# Altium PCB DI544.PcbDoc (part 1 of 7) (continued)
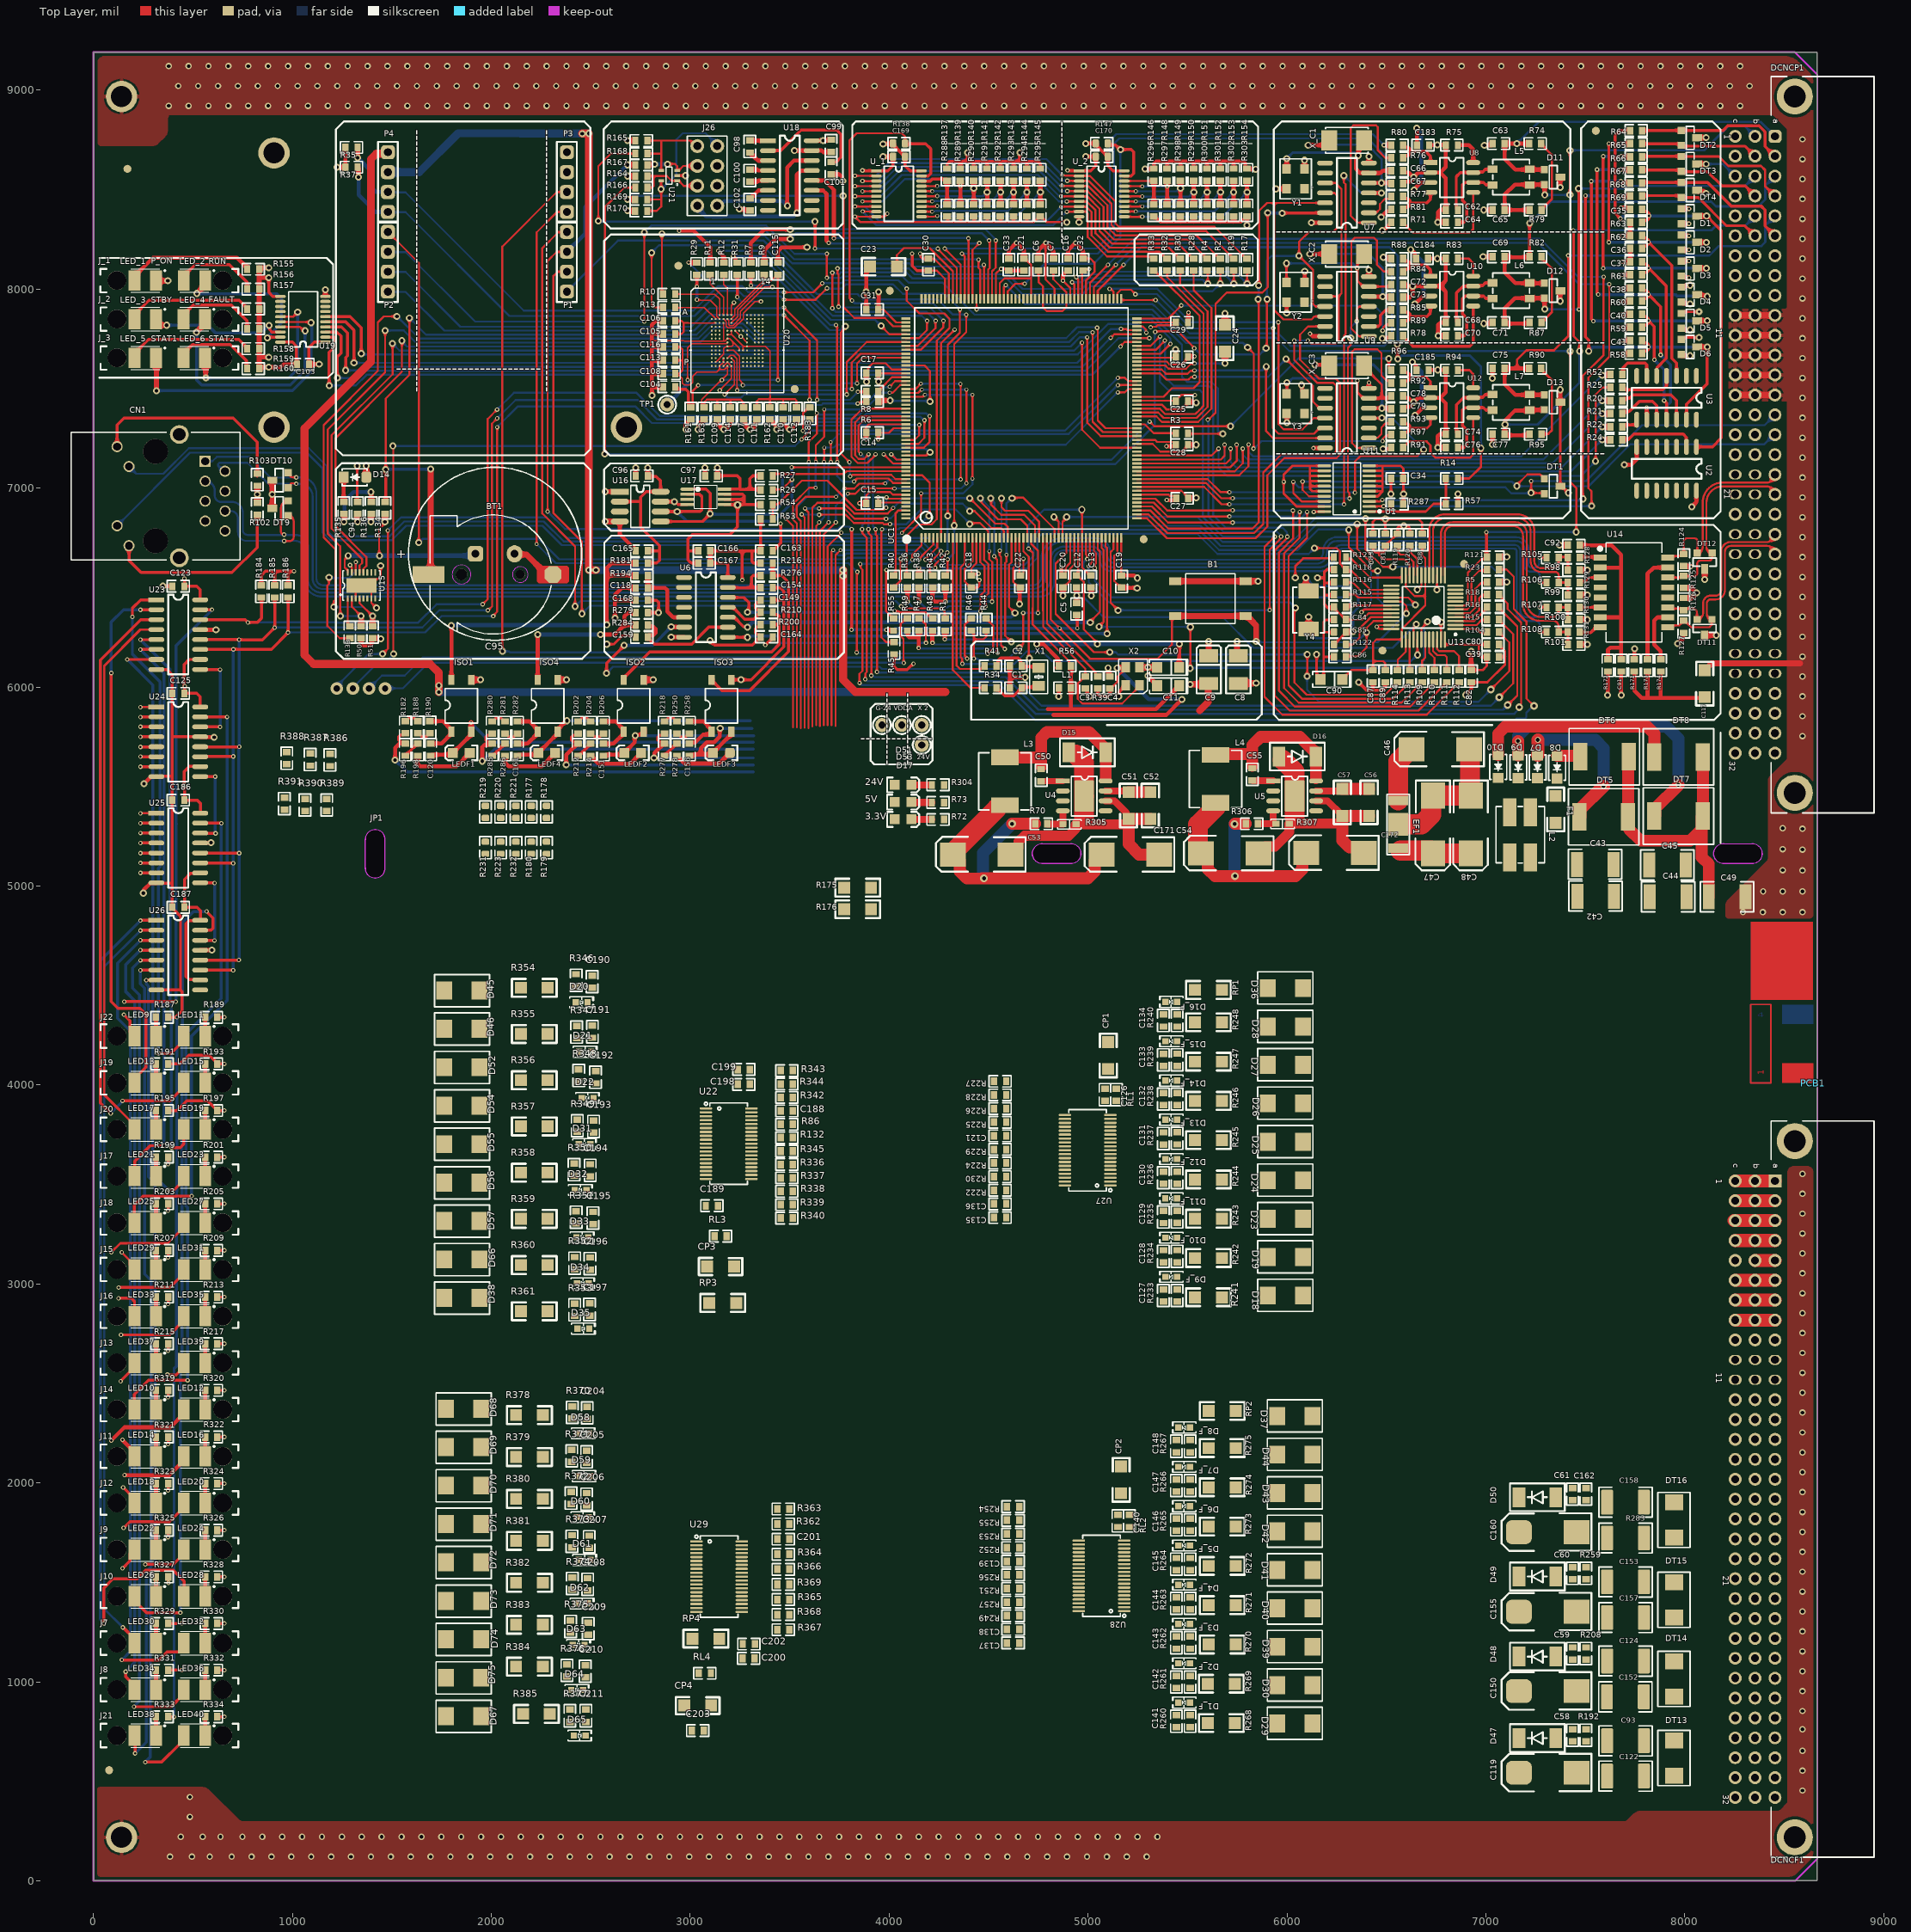
[diagram p0: Top Layer view]
## Components (designator, comment, footprint, x,y, rotation, side; value= is the part's Value field where it differs from the comment) (continued)
C199 "100nF, 50V" "CAP 0603"#1 3269.51,4079.11 r0 top
C200 "1uF" "CAP 0603"#1 3293.51,1119.11 r0 top
C201 "100nF, 50V" "CAP 0603"#1 3468.51,1716.36 r180 top
C202 "100nF, 50V" "CAP 0603"#1 3294.51,1191.11 r0 top
C203 "1nF,50V" "CAP 0603"#1 3037.51,756.11 r0 top
C204 "100nF, 50V" "CAP 0603"#1 2481.51,2351.11 r90 top
C205 "100nF, 50V" "CAP 0603"#1 2478.51,2130.11 r90 top
C206 "100nF, 50V" "CAP 0603"#1 2478.51,1918.11 r90 top
C207 "100nF, 50V" "CAP 0603"#1 2491.51,1704.11 r90 top
C208 "100nF, 50V" "CAP 0603"#1 2483.51,1490.11 r90 top
C209 "100nF, 50V" "CAP 0603"#1 2486.51,1267.11 r90 top
C210 "100nF, 50V" "CAP 0603"#1 2471.51,1053.11 r90 top
C211 "100nF, 50V" "CAP 0603"#1 2474.51,829.11 r90 top
CN1 "PORT Ethernet" RJ45 342.86,6962.89 r90 top net-tie
CP1 "4.7uF, 50V" "Cap 1206"#1 5179.51,3845.63 r270 top
CP2 "4.7uF, 50V" "Cap 1206"#1 5244.51,1713.11 r270 top
CP3 "4.7uF, 50V" "Cap 1206"#1 2850.51,3010.11 r180 top
CP4 "4.7uF, 50V" "Cap 1206"#1 2735.51,803.11 r180 top
D1 "40V, 0.3A, DUAL" SOT23 7982.44,8404.22 r0 top
D1_F "LED" "LED 0603 - Green" 5486.6,894.85 r180 top
D2 "40V, 0.3A, DUAL" SOT23 7982.44,8272.81 r0 top
D2_F "LED" "LED 0603 - Green" 5486.6,1092.35 r180 top
D3 "40V, 0.3A, DUAL" SOT23 7982.44,8141.4 r0 top
D3_F "LED" "LED 0603 - Green" 5486.6,1289.85 r180 top
D4 "40V, 0.3A, DUAL" SOT23 7982.44,8009.99 r0 top
D4_F "LED" "LED 0603 - Green" 5486.6,1487.35 r180 top
D5 "40V, 0.3A, DUAL" SOT23 7982.44,7878.58 r0 top
D5_F "LED" "LED 0603 - Green" 5486.6,1684.84 r180 top
D6 "40V, 0.3A, DUAL" SOT23 7982.44,7747.18 r0 top
D6_F "LED" "LED 0603 - Green" 5486.6,1882.34 r180 top
D7 "40V, 1.1A" DO-219AB#1 7260,5656 r270 top
D7_F "LED" "LED 0603 - Green" 5486.6,2079.84 r180 top
D8 "40V, 1.1A" DO-219AB#1 7358,5654 r270 top
D8_F "LED" "LED 0603 - Green" 5486.6,2277.33 r180 top
D9 "40V, 1.1A" DO-219AB#1 7163,5656.17 r270 top
D9_F "LED" "LED 0603 - Green" 5421.6,3034.84 r180 top
D10 "40V, 1.1A" DO-219AB#1 7062,5658 r270 top
D10_F "LED" "LED 0603 - Green" 5421.6,3232.04 r180 top
D11 "NUP2105LT1G" SOT23 7294.5,8601 r0 top
D11_F "LED" "LED 0603 - Green" 5421.41,3429.24 r180 top
D12 "NUP2105LT1G" SOT23 7294.5,8030 r0 top
D12_F "LED" "LED 0603 - Green" 5421.6,3626.79 r180 top
D13 "NUP2105LT1G" SOT23 7294.5,7469 r0 top
D13_F "LED" "LED 0603 - Green" 5421.6,3824.34 r180 top
D14 "40V, 1.1A" DO-219AB#2 1372.2,7055.06 r180 top
D14_F "LED" "LED 0603 - Green" 5421.6,4021.89 r180 top
D15 "60V, 3A" DO-214AC 4904,5672 r0 top
D15_F "LED" "LED 0603 - Green" 5421.6,4219.43 r180 top
D16 "60V, 3A" DO-214AC 5960,5651 r0 top
D16_F "LED" "LED 0603 - Green" 5421.6,4416.98 r180 top
D17 "Green" LED-0805#1 4028.27,5335.34 r0 top
D18 "36V, 600W" "DO-214AA - Unpolarized" 5903.51,2941.69 r0 top
D19 "36V, 600W" "DO-214AA - Unpolarized" 5903.51,3134.87 r0 top
D20 "LED" "LED 0603 - Green" 2451.51,4416.11 r0 top
D21 "LED" "LED 0603 - Green" 2468.89,4167.97 r0 top
D22 "LED" "LED 0603 - Green" 2481.51,3936.11 r0 top
D23 "36V, 600W" "DO-214AA - Unpolarized" 5903.51,3328.05 r0 top
D24 "36V, 600W" "DO-214AA - Unpolarized" 5903.51,3521.22 r0 top
D25 "36V, 600W" "DO-214AA - Unpolarized" 5903.51,3714.4 r0 top
D26 "36V, 600W" "DO-214AA - Unpolarized" 5903.51,3907.58 r0 top
D27 "36V, 600W" "DO-214AA - Unpolarized" 5903.51,4100.75 r0 top
D28 "36V, 600W" "DO-214AA - Unpolarized" 5903.51,4293.93 r0 top
D29 "36V, 600W" "DO-214AA - Unpolarized" 5951.51,790.11 r0 top
D30 "36V, 600W" "DO-214AA - Unpolarized" 5951.51,983.28 r0 top
D31 "LED" "LED 0603 - Green" 2465.89,3702.97 r0 top
D32 "LED" "LED 0603 - Green" 2445.89,3472.97 r0 top
D33 "LED" "LED 0603 - Green" 2454.51,3235.11 r0 top
D34 "LED" "LED 0603 - Green" 2457.51,3004.11 r0 top
D35 "LED" "LED 0603 - Green" 2460.51,2776.11 r0 top
D36 "36V, 600W" "DO-214AA - Unpolarized" 5903.51,4487.1 r0 top
D37 "36V, 600W" "DO-214AA - Unpolarized" 5951.51,2335.52 r0 top
D38 "36V, 600W" "DO-214AA - Unpolarized" 1941.51,2930.11 r180 top
D39 "36V, 600W" "DO-214AA - Unpolarized" 5951.51,1176.46 r0 top
D40 "36V, 600W" "DO-214AA - Unpolarized" 5951.51,1369.63 r0 top
D41 "36V, 600W" "DO-214AA - Unpolarized" 5951.51,1562.81 r0 top
D42 "36V, 600W" "DO-214AA - Unpolarized" 5951.51,1755.99 r0 top
D43 "36V, 600W" "DO-214AA - Unpolarized" 5951.51,1949.16 r0 top
D44 "36V, 600W" "DO-214AA - Unpolarized" 5951.51,2142.34 r0 top
D45 "36V, 600W" "DO-214AA - Unpolarized" 1941.51,4475.52 r180 top
D46 "36V, 600W" "DO-214AA - Unpolarized" 1941.51,4282.34 r180 top
D47 "1000V, 1.5A" DO-214AC 7351.77,717.39 r180 top
D48 "1000V, 1.5A" DO-214AC 7351.77,1127.09 r180 top
D49 "1000V, 1.5A" DO-214AC 7351.77,1530.03 r180 top
D50 "1000V, 1.5A" DO-214AC 7351.77,1927.96 r180 top
D51 "Orange" LED-0805#1 4028.27,5508.68 r0 top
D52 "36V, 600W" "DO-214AA - Unpolarized" 1941.51,4089.17 r180 top
D53 "Green" LED-0805#1 4028,5422 r0 top
D54 "36V, 600W" "DO-214AA - Unpolarized" 1941.51,3895.99 r180 top
D55 "36V, 600W" "DO-214AA - Unpolarized" 1941.51,3702.81 r180 top
D56 "36V, 600W" "DO-214AA - Unpolarized" 1941.51,3509.64 r180 top
D57 "36V, 600W" "DO-214AA - Unpolarized" 1941.51,3316.46 r180 top
D58 "LED" "LED 0603 - Green" 2459.51,2250.11 r0 top
D59 "LED" "LED 0603 - Green" 2463.51,2035.11 r0 top
D60 "LED" "LED 0603 - Green" 2457.89,1828.97 r0 top
D61 "LED" "LED 0603 - Green" 2466.94,1613.97 r0 top
D62 "LED" "LED 0603 - Green" 2453.89,1394.97 r0 top
D63 "LED" "LED 0603 - Green" 2436.51,1187.11 r0 top
D64 "LED" "LED 0603 - Green" 2428.51,960.11 r0 top
D65 "LED" "LED 0603 - Green" 2441.89,730.97 r0 top
D66 "36V, 600W" "DO-214AA - Unpolarized" 1941.51,3123.28 r180 top
D67 "36V, 600W" "DO-214AA - Unpolarized" 1949.51,827.69 r180 top
D68 "36V, 600W" "DO-214AA - Unpolarized" 1949.51,2373.11 r180 top
D69 "36V, 600W" "DO-214AA - Unpolarized" 1949.51,2179.93 r180 top
D70 "36V, 600W" "DO-214AA - Unpolarized" 1949.51,1986.75 r180 top
D71 "36V, 600W" "DO-214AA - Unpolarized" 1949.51,1793.58 r180 top
D72 "36V, 600W" "DO-214AA - Unpolarized" 1949.51,1600.4 r180 top
D73 "36V, 600W" "DO-214AA - Unpolarized" 1949.51,1407.22 r180 top
D74 "36V, 600W" "DO-214AA - Unpolarized" 1949.51,1214.05 r180 top
D75 "36V, 600W" "DO-214AA - Unpolarized" 1949.51,1020.87 r180 top
DCNCF1 "533202" EURO2.54-2H96#1 8453.78,3518.5 r270 top locked
DCNCP1 "533202" EURO2.54-2H96#2 8453.78,8768.5 r270 top locked
DT1 "NUP2105LT1G" SOT23 7294.5,7047 r0 top
DT2 "NUP2105LT1G" SOT23 7982.44,8798.45 r0 top
DT3 "NUP2105LT1G" SOT23 7982.44,8667.04 r0 top
DT4 "NUP2105LT1G" SOT23 7982.44,8535.63 r0 top
DT5 "SMCJ36CA" "DO-214AB - Unpolarized" 7470,5348 r0 top
DT6 "SMCJ36CA" "DO-214AB - Unpolarized" 7474,5650 r0 top
DT7 "SMCJ36CA" "DO-214AB - Unpolarized" 7846.91,5352 r0 top
DT8 "SMCJ36CA" "DO-214AB - Unpolarized" 7846.91,5649 r0 top
DT9 "10009023" SOT23 978.89,6861.28 r180 top value=NUP2105LT1G
DT10 "10009023" SOT23 978.81,7002.21 r180 top value=NUP2105LT1G
DT11 "10009023" SOT23 8136.93,6339.67 r270 top value=NUP2105LT1G
DT12 "10009023" SOT23 8137.89,6673.5 r270 top value=NUP2105LT1G
DT13 "36V, 600W" "DO-214AA - Unpolarized" 7946.76,528.46 r90 top
DT14 "36V, 600W" "DO-214AA - Unpolarized" 7946.76,926.27 r90 top
DT15 "36V, 600W" "DO-214AA - Unpolarized" 7946.76,1323.91 r90 top
DT16 "36V, 600W" "DO-214AA - Unpolarized" 7946.76,1725.48 r90 top
EF1 "1000pF" NFE61P 6560,5189.92 r90 top
F1 "2A,63VDC" Fuse1206 7352,5451 r270 top
G-24 "Yellow" "TEST Point Yellow"#2 3814.32,5934.24 r0 top
ISO1 "HCPL-181-00CE" SO4 1799.63,5776.27 r90 top
ISO2 "HCPL-181-00CE" SO4 2666.16,5776.27 r90 top
ISO3 "HCPL-181-00CE" SO4 3107.22,5776.27 r90 top
ISO4 "HCPL-181-00CE" SO4 2233.49,5776.47 r90 top
J7 "1270.1001" LightGuide2 118.9,1195 r0 top locked
J8 "1270.1001" LightGuide2 118.9,961 r0 top locked
J9 "1270.1001" LightGuide2 118.9,1665 r0 top locked
J10 "1270.1001" LightGuide2 118.9,1430 r0 top locked
J11 "1270.1001" LightGuide2 118.9,2134 r0 top locked
J12 "1270.1001" LightGuide2 118.9,1899 r0 top locked
J13 "1270.1001" LightGuide2 118.9,2603 r0 top locked
J14 "1270.1001" LightGuide2 118.9,2369 r0 top locked
J15 "1270.1001" LightGuide2 118.9,3073 r0 top locked
J16 "1270.1001" LightGuide2 118.9,2838 r0 top locked
J17 "1270.1001" LightGuide2 118.9,3542 r0 top locked
J18 "1270.1001" LightGuide2 118.9,3307 r0 top locked
J19 "1270.1001" LightGuide2 118.9,4011 r0 top locked
J20 "1270.1001" LightGuide2 118.9,3777 r0 top locked
J21 "1270.1001" LightGuide2 118.9,730 r0 top locked
J22 "1270.1001" LightGuide2 118.9,4246 r0 top locked
J26 "2X4" "Header 2x4/F/2.54/ST" 3135.83,9319.69 r270 top
J_1 "1270.1001" LightGuide2 117.9,8043.45 r0 top locked
J_2 "1270.1001" LightGuide2 118.9,7849.45 r0 top locked
J_3 "1270.1001" LightGuide2 118.9,7654.45 r0 top locked
JP1 "*" "PCB Plastic guard" 8660,5105 r0 top locked
L1 "BLM18AG601" "Indicator 0603" 4855.05,5997.29 r0 top value=BLM18BD601SN1
L2 "ACM7060-301-2PL-TL01" DWL7B 7225,5371 r270 top
L3 "22uH, 2.9A" CDRH8D28 4583,5647 r270 top
L4 "22uH, 2.9A" CDRH8D28 5641,5658.79 r270 top
L5 "ACM4520-142-2P-T000" ACM4520 7127.5,8563.37 r0 top
L6 "ACM4520-142-2P-T000" ACM4520 7127.5,7992.37 r0 top
L7 "ACM4520-142-2P-T000" ACM4520 7127.5,7431.37 r0 top
LED9 "Green" LEDT670 260.63,4246 r0 top
LED10 "Green" LEDT670 260.63,2369 r0 top
LED11 "Green" LEDT670 508.67,4246 r0 top
LED12 "Green" LEDT670 508.67,2369 r0 top
LED13 "Green" LEDT670 260.63,4011 r0 top
LED14 "Green" LEDT670 260.63,2134 r0 top
LED15 "Green" LEDT670 508.67,4011 r0 top
LED16 "Green" LEDT670 508.67,2134 r0 top
LED17 "Green" LEDT670 260.63,3777 r0 top
LED18 "Green" LEDT670 260.63,1899 r0 top
LED19 "Green" LEDT670 508.67,3777 r0 top
LED20 "Green" LEDT670 508.67,1899 r0 top
LED21 "Green" LEDT670 260.63,3542 r0 top
LED22 "Green" LEDT670 260.63,1665 r0 top
LED23 "Green" LEDT670 508.67,3542 r0 top
LED24 "Green" LEDT670 508.67,1665 r0 top
LED25 "Green" LEDT670 260.63,3307 r0 top
LED26 "Green" LEDT670 260.63,1430 r0 top
LED27 "Green" LEDT670 508.67,3307 r0 top
LED28 "Green" LEDT670 508.67,1430 r0 top
LED29 "Green" LEDT670 260.63,3073 r0 top
LED30 "Green" LEDT670 260.63,1195 r0 top
LED31 "Green" LEDT670 508.67,3073 r0 top
LED32 "Green" LEDT670 508.67,1195 r0 top
LED33 "Green" LEDT670 260.63,2838 r0 top
LED34 "Green" LEDT670 260.63,961 r0 top
LED35 "Green" LEDT670 508.67,2838 r0 top
LED36 "Green" LEDT670 508.67,961 r0 top
LED37 "Green" LEDT670 260.63,2603 r0 top
LED38 "Green" LEDT670 260.63,730 r0 top
LED39 "Green" LEDT670 508.67,2603 r0 top
LED40 "Green" LEDT670 508.67,730 r0 top
LED_1 "Green" LEDT670 260.98,8043.71 r0 top
LED_2 "Green" LEDT670 507.58,8043.71 r0 top
LED_3 "Green" LEDT670 260.98,7849.8 r0 top
LED_4 "Green" LEDT670 507.23,7849.8 r0 top
LED_5 "Green" LEDT670 260.98,7654.96 r0 top
LED_6 "Green" LEDT670 507.23,7654.96 r0 top
LEDF1 "ORANGE" LED-0805#1 1892.13,5669.26 r180 top value=Orange
LEDF2 "ORANGE" LED-0805#1 2753.57,5669.26 r180 top value=Orange
LEDF3 "ORANGE" LED-0805#2 3199.72,5669.26 r180 top value=Orange
LEDF4 "ORANGE" LED-0805#1 2321.31,5669.26 r180 top value=Orange
P1 "1x4" "Header 1x4/M/ST" 2380.42,8138 r270 top
P2 "1x4" "Header 1x4/M/ST" 1480.42,8138 r270 top
P3 "1x4" "Header 1x4/M/ST" 2380.42,8538.48 r90 top
P4 "1x4" "Header 1x4/M/ST" 1480.42,8538.48 r90 top
PCB1 "" LayerN4 8645,4010 r90 top
R1 "0R" "RES 0603"#1 4280.8,6313.78 r90 top
R2 "33R" "RES 0603"#1 5667.5,8123.7 r270 top
R3 "0R" "RES 0603"#1 5472,7278 r0 top
R4 "33R" "RES 0603"#1 5600.61,8123.7 r270 top
R5 "33R" "RES 0603"#1 7036.27,6526.52 r180 top
R6 "0R" "RES 0603"#1 3915.43,7436.97 r0 top
R7 "0R" "RES 0603"#1 3307,8103.4 r270 top
R8 "0R" "RES 0603"#1 3915.43,7488 r0 top
R9 "0R" "RES 0603"#1 3375,8103.4 r270 top
R10 "0R" "RES 0603"#1 2894,7977.42 r0 top
R11 "0R" "RES 0603"#1 3103,8103.4 r270 top
R12 "0R" "RES 0603"#1 3171,8103.4 r270 top
R13 "0R" "RES 0603"#1 2894,7910.79 r0 top
R14 "0R" "RES 0603"#1 6829,7050.38 r0 top
R15 "33R" "RES 0603"#2 7036.27,6338.08 r180 top
R16 "33R" "RES 0603"#1 7036.27,6400.9 r180 top
R17 "33R" "RES 0603"#1 5801.28,8123.7 r270 top
R18 "33R" "RES 0603"#1 7036.27,6463.71 r180 top
R19 "33R" "RES 0603"#1 5734.39,8123.7 r270 top
R20 "0R" "RES 0603"#1 7656,7441.98 r0 top
R21 "0R" "RES 0603"#1 7656,7376.12 r0 top
R22 "0R" "RES 0603"#1 7656,7310.27 r0 top
R23 "33R" "RES 0603"#1 7035.27,6593.34 r0 top
R24 "0R" "RES 0603"#1 7656,7244.42 r0 top
R25 "0R" "RES 0603"#1 7656,7507.83 r0 top
R26 "4.7K, 1%" "RES 0603"#1 3384.43,6991.36 r0 top
R27 "4.7K, 1%" "RES 0603"#1 3384.43,7063.68 r0 top
R28 "33R" "RES 0603"#1 5533.72,8123.7 r270 top
R29 "0R" "RES 0603"#1 3031,8102.4 r90 top
R30 "33R" "RES 0603"#1 5466.83,8123.7 r270 top
R31 "0R" "RES 0603"#1 3235,8102.4 r90 top
R32 "33R" "RES 0603"#1 5399.94,8123.7 r270 top
R33 "33R" "RES 0603"#1 5333.05,8123.7 r270 top
R34 "0R" "RES 0603"#1 4510.89,5994.56 r180 top
R35 "4.7K, 1%" "RES 0603"#1 1297.27,8714.48 r0 top
R36 "0R" "RES 0603"#1 4093.66,6531 r270 top
R37 "4.7K, 1%" "RES 0603"#1 1297.27,8614.89 r0 top
R38 "0R" "RES 0603"#1 4152.45,6531 r270 top
R39 "0R" "RES 0603"#1 5046.52,6022.29 r90 top
R40 "0R" "RES 0603"#3 4025.02,6531 r270 top
R41 "0R" "RES 0603"#1 4510.89,6104.02 r180 top
R42 "0R" "RES 0603"#1 4284.8,6531 r270 top
R43 "0R" "RES 0603"#1 4221.09,6531 r270 top
R44 "0R" "RES 0603"#4 4490.08,6314.78 r270 top
R45 "10K, 1%" "RES 0603"#1 4022.99,6194.88 r90 top
R46 "0R" "RES 0603"#4 4416.5,6314.78 r270 top
R47 "0R" "RES 0603"#5 4152.45,6314.78 r270 top
R48 "0R" "RES 0603"#5 4221.09,6314.78 r270 top
R49 "0R" "RES 0603"#6 4093.66,6314.78 r270 top
R50 "4.7K, 1%" "RES 0603"#1 1344.06,6275.4 r90 top
R51 "4.7K, 1%" "RES 0603"#1 1401.3,6275.4 r90 top
R52 "0R" "RES 0603"#1 7656,7573.68 r0 top
R53 "10K, 1%" "RES 0603"#1 3385.43,6842.72 r180 top
R54 "10K, 1%" "RES 0603"#1 3385.43,6915.04 r180 top
R55 "10K, 1%" "RES 0603"#7 4021.02,6313.78 r90 top
R56 "0R" "RES 0603"#1 4883.05,6108.29 r0 top
R57 "4.7K, 1%" "RES 0603"#1 6830,6920.05 r180 top
R58 "3.3K, 1%" "RES 0603"#1 7756,7675 r180 top
R59 "3.3K, 1%" "RES 0603"#1 7756,7806.82 r180 top
R60 "3.3K, 1%" "RES 0603"#1 7756,7938.65 r180 top
R61 "3.3K, 1%" "RES 0603"#1 7756,8070.47 r180 top
R62 "3.3K, 1%" "RES 0603"#1 7756,8268.21 r180 top
R63 "3.3K, 1%" "RES 0603"#1 7756,8334.12 r180 top
R64 "100R, 1%" "RES 0603"#1 7755.91,8795.51 r180 top
R65 "100R, 1%" "RES 0603"#1 7756.08,8729.6 r180 top
R66 "100R, 1%" "RES 0603"#1 7756.08,8663.68 r180 top
R67 "100R, 1%" "RES 0603"#1 7756.08,8597.77 r180 top
R68 "100R, 1%" "RES 0603"#1 7756.08,8531.86 r180 top
R69 "100R, 1%" "RES 0603"#1 7756.08,8465.95 r180 top
R70 "10K, 1%" "RES 0603"#1 4765,5315 r0 top
R71 "0R" "RES 0603"#1 6555,8334.94 r180 top
R72 "1K, 1%" "RES 0603"#1 4246.19,5332.76 r180 top
R73 "1K, 1%" "RES 0603"#1 4246.19,5418 r180 top
R74 "120" "RES 0603"#1 7249,8730 r180 top
R75 "0R" "RES 0603"#1 6829,8726.22 r0 top
R76 "0R" "RES 0603"#1 6555,8657.68 r180 top
R77 "0R" "RES 0603"#1 6555,8464.07 r180 top
R78 "0R" "RES 0603"#1 6555,7764.37 r180 top
R79 "0R" "RES 0603"#1 7250,8400 r0 top
R80 "0R" "RES 0603"#1 6554,8726.22 r0 top
R81 "0R" "RES 0603"#1 6554,8403.54 r0 top
R82 "120" "RES 0603"#1 7250,8161 r180 top
R83 "0R" "RES 0603"#1 6829,8155.83 r0 top
R84 "0R" "RES 0603"#1 6555,8086.86 r180 top
R85 "0R" "RES 0603"#1 6555,7892.94 r180 top
R86 "4.7K, 1%" "RES 0603"#1 3486.51,3800.65 r180 top
R87 "0R" "RES 0603"#1 7249,7834 r0 top
R88 "0R" "RES 0603"#1 6554,8155.83 r0 top
R89 "0R" "RES 0603"#1 6554,7832.47 r0 top
R90 "120" "RES 0603"#1 7249,7600 r180 top
R91 "0R" "RES 0603"#1 6555,7203 r180 top
R92 "0R" "RES 0603"#1 6555,7525.62 r180 top
R93 "0R" "RES 0603"#1 6555,7332.05 r180 top
R94 "0R" "RES 0603"#1 6829,7595 r0 top
R95 "0R" "RES 0603"#1 7250,7273 r0 top
R96 "0R" "RES 0603"#1 6554,7594.14 r0 top
R97 "0R" "RES 0603"#1 6554,7271.52 r0 top
R98 "49.9R 1%" "RES 0603"#1 7442.25,6590.17 r0 top
R99 "49.9R 1%" "RES 0603"#1 7442.25,6465.6 r0 top
R100 "49.9R" "RES 0603"#1 7442.25,6341.03 r0 top
R101 "49.9R" "RES 0603"#1 7442.25,6216.46 r0 top
R102 "240R 1%" "RES 0603"#1 822,6895.78 r90 top
R103 "240R 1%" "RES 0603"#1 826,7042.71 r270 top
R104 "33R" "RES 0603"#1 7036.27,6275.27 r180 top
R105 "0R" "RES 0603"#1 7336.06,6648.46 r180 top
R106 "0R" "RES 0603"#1 7336.06,6523.88 r180 top
R107 "0R" "RES 0603"#1 7336.06,6399.31 r180 top
R108 "0R" "RES 0603"#1 7336.06,6274.74 r180 top
R109 "33R" "RES 0603"#1 6678.01,6054.48 r90 top
R110 "33R" "RES 0603"#1 6739.91,6054.48 r90 top
R111 "33R" "RES 0603"#1 6801.81,6054.48 r90 top
R112 "33R" "RES 0603"#1 6863.72,6054.48 r90 top
R113 "33R" "RES 0603"#1 6616.1,6054.48 r90 top
R114 "33R" "RES 0603"#1 6554.2,6054.48 r90 top
R115 "2.2K" "RES 0603"#1 6267.23,6463.71 r180 top
R116 "2.2K" "RES 0603"#1 6267.23,6526.52 r180 top
R117 "1.5K" "RES 0603"#1 6266.23,6404.9 r0 top
R118 "2.2K" "RES 0603"#1 6267.23,6589.34 r180 top
R119 "2.2K" "RES 0603"#8 6554.2,6740.48 r90 top
R120 "2.2K" "RES 0603"#8 6616.1,6740.48 r90 top
R121 "1.5K" "RES 0603"#1 7036.27,6652.15 r180 top
R122 "0R" "RES 0603"#4 6266.23,6216.46 r0 top
R123 "4.87K" "RES 0603"#9 6266.23,6656.15 r0 top
R124 "49.9R 1%" "RES 0603"#1 7997.05,6639.49 r270 top
R125 "49.9R 1%" "RES 0603"#1 7997.1,6528.96 r270 top
R126 "49.9R 1%" "RES 0603"#1 7993.1,6416.7 r90 top
R127 "49.9R 1%" "RES 0603"#1 7997.1,6303.55 r270 top
R128 "0R" "RES 0603"#1 7442.25,6652.46 r0 top
R129 "0R" "RES 0603"#1 7442.25,6527.88 r0 top
R130 "0R" "RES 0603"#1 7442.25,6403.31 r0 top
R131 "0R" "RES 0603"#1 7442.25,6278.74 r0 top
R132 "4.7K, 1%" "RES 0603"#1 3486.51,3733.29 r180 top
R133 "0R" "RES 0603"#1 1286.83,6275.4 r90 top
R134 "0R" "RES 0603"#1 1463.53,6900.16 r90 top
R135 "100R, 1%" "RES 0603"#1 1256.89,6900.16 r90 top
R136 "100R, 1%" "RES 0603"#1 1394.65,6900.16 r90 top
R137 "4.7K, 1%" "RES 0603"#1 4289.84,8575.54 r90 top
R138 "10K, 1%" "RES 0603"#4 4050.66,8731 r180 top
R139 "4.7K, 1%" "RES 0603"#1 4356.73,8575.54 r90 top
R140 "4.7K, 1%" "RES 0603"#1 4423.62,8575.54 r90 top
R141 "4.7K, 1%" "RES 0603"#1 4490.51,8575.54 r90 top
R142 "4.7K, 1%" "RES 0603"#1 4557.4,8575.54 r90 top
R143 "4.7K, 1%" "RES 0603"#1 4624.29,8575.54 r90 top
R144 "4.7K, 1%" "RES 0603"#1 4691.18,8575.54 r90 top
R145 "4.7K, 1%" "RES 0603"#1 4758.07,8575.54 r90 top
R146 "4.7K, 1%" "RES 0603"#1 5329.05,8575.54 r90 top
R147 "10K, 1%" "RES 0603"#4 5069.64,8731 r180 top
R148 "4.7K, 1%" "RES 0603"#1 5395.94,8575.54 r90 top
R149 "4.7K, 1%" "RES 0603"#1 5462.83,8575.54 r90 top
R150 "4.7K, 1%" "RES 0603"#1 5529.72,8575.54 r90 top
R151 "4.7K, 1%" "RES 0603"#1 5596.61,8575.54 r90 top
R152 "4.7K, 1%" "RES 0603"#1 5663.5,8575.54 r90 top
R153 "4.7K, 1%" "RES 0603"#1 5730.39,8575.54 r90 top
R154 "4.7K, 1%" "RES 0603"#1 5797.28,8575.54 r90 top
R155 "680R" "RES 0603"#8 802.79,8102.68 r0 top
R156 "680R" "RES 0603"#8 802.79,8002.77 r0 top
R157 "680R" "RES 0603"#8 802.79,7902.86 r0 top
R158 "680R" "RES 0603"#8 802.79,7802.95 r0 top
R159 "680R" "RES 0603"#8 803.79,7699.04 r180 top
R160 "680R" "RES 0603"#8 803.79,7599.13 r180 top
R161 "10K, 1%" "RES 0603"#1 3001.47,7375.12 r90 top
R162 "0R" "RES 0603"#1 3399.45,7375.12 r90 top
R163 "0R" "RES 0603"#1 3067.8,7375.12 r90 top
R164 "4.7K, 1%" "RES 0603"#1 2754.92,8565.47 r180 top
R165 "4.7K, 1%" "RES 0603"#1 2754.92,8745.08 r180 top
R166 "22R" "RES 0603"#1 2753.92,8512.35 r0 top
R167 "22R" "RES 0603"#1 2753.92,8626.58 r0 top
R168 "22R" "RES 0603"#1 2753.92,8683.69 r0 top
R169 "22R" "RES 0603"#1 2753.74,8453.76 r0 top
R170 "4.7K, 1%" "RES 0603"#1 2753.74,8395.47 r0 top
R171 "0R" "RES 0603"#1 7744.46,6108.46 r90 top
R172 "0R" "RES 0603"#1 7615.95,6109.46 r270 top
R173 "68R" "RES 0603"#1 7814.72,6109.46 r270 top
R174 "68R" "RES 0603"#1 7880.98,6109.46 r270 top
R175 "0R" "RES 1206" 4030.57,4868.52 r180 top
R176 "0R" "RES 1206" 4030.57,4759.65 r180 top
R177 "0R" "RES 0603"#10 2199,5372.19 r90 top
R178 "0R" "RES 0603"#10 2279.75,5373.19 r270 top
R179 "0R" "RES 0603"#10 2279.75,5193 r270 top
R180 "0R" "RES 0603"#10 2203,5193 r270 top
R181 "10K, 1%" "RES 0603"#1 2757.2,6620.67 r180 top
R182 "1.5K" "RES 0603"#1 1569.9,5798.65 r270 top
R183 "0R" "RES 0603"#1 3600,7375 r90 top
R184 "1K, 1%" "RES 0603"#1 842.52,6480.19 r90 top
R185 "1K, 1%" "RES 0603"#1 909.42,6480.19 r90 top
R186 "1K, 1%" "RES 0603"#1 976.83,6480.19 r90 top
R187 "680R" "RES 0603"#1 344.49,4342.52 r0 top
R188 "1.5K" "RES 0603"#1 1628.02,5797.65 r90 top
R189 "680R" "RES 0603"#1 592.41,4342.52 r0 top
R190 "1.5K" "RES 0603"#1 1694.14,5798.65 r270 top
R191 "680R" "RES 0603"#1 344.49,4108.11 r0 top
R192 "0R" "RES 0603"#1 7504.96,732.39 r270 top
R193 "680R" "RES 0603"#1 592.41,4108.11 r0 top
R194 "1K, 1%" "RES 0603"#1 2757.2,6558.59 r180 top
R195 "680R" "RES 0603"#1 344.49,3873.71 r0 top
R196 "1.5K" "RES 0603"#2 1565.9,5684.76 r90 top
R197 "680R" "RES 0603"#1 592.41,3873.71 r0 top
R198 "1.5K" "RES 0603"#11 1629.53,5684.76 r90 top
R199 "680R" "RES 0603"#1 344.49,3639.3 r0 top
R200 "10K, 1%" "RES 0603"#1 3384.43,6316 r0 top
R201 "680R" "RES 0603"#1 592.41,3639.3 r0 top
R202 "1.5K" "RES 0603"#1 2438.48,5797.65 r270 top
R203 "680R" "RES 0603"#1 344.49,3404.9 r0 top
R204 "1.5K" "RES 0603"#1 2498.39,5796.65 r90 top
R205 "680R" "RES 0603"#1 592.41,3404.9 r0 top
R206 "1.5K" "RES 0603"#1 2566.3,5797.65 r270 top
R207 "680R" "RES 0603"#1 344.49,3170.49 r0 top
R208 "0R" "RES 0603"#1 7504.96,1143.09 r270 top
R209 "680R" "RES 0603"#1 592.41,3170.49 r0 top
R210 "1K, 1%" "RES 0603"#1 3384.43,6377.79 r0 top
R211 "680R" "RES 0603"#1 344.49,2936.09 r0 top
R212 "1.5K" "RES 0603"#2 2434.48,5684.76 r90 top
R213 "680R" "RES 0603"#1 592.41,2936.09 r0 top
R214 "1.5K" "RES 0603"#11 2498.39,5684.76 r90 top
R215 "680R" "RES 0603"#1 344.49,2701.68 r0 top
R216 "10K, 1%" "RES 0603"#1 3384.43,6624.95 r0 top
R217 "680R" "RES 0603"#1 592.41,2701.68 r0 top
R218 "1.5K" "RES 0603"#1 2872.54,5797.65 r270 top
R219 "0R" "RES 0603"#10 1968.75,5372.19 r90 top
R220 "0R" "RES 0603"#10 2045.5,5372.19 r90 top
R221 "0R" "RES 0603"#10 2122.25,5372.19 r90 top
R222 "4.7K, 1%" "RES 0603"#1 4557.91,3472.72 r0 top
R223 "4.7K, 1%" "RES 0603"#10 2045.5,5192 r90 top
R224 "4.7K, 1%" "RES 0603"#1 4557.91,3609.72 r0 top
R225 "1K, 1%" "RES 0603"#1 4558.04,3815.23 r0 top
R226 "1K, 1%" "RES 0603"#1 4559.04,3879.73 r180 top
R227 "1K, 1%" "RES 0603"#1 4558.04,4020.73 r0 top
R228 "1K, 1%" "RES 0603"#1 4559.04,3948.23 r180 top
R229 "4.7K, 1%" "RES 0603"#1 4557.91,3678.22 r0 top
R230 "4.7K, 1%" "RES 0603"#1 4557.91,3541.22 r0 top
R231 "4.7K, 1%" "RES 0603"#10 1968.75,5192 r90 top
R232 "4.7K, 1%" "RES 0603"#10 2126.25,5193 r270 top
R233 "16K, 1%" "RES 0603"#1 5450.45,2942.49 r270 top
R234 "16K, 1%" "RES 0603"#1 5450.45,3139.94 r270 top
R235 "16K, 1%" "RES 0603"#1 5450.45,3337.4 r270 top
R236 "16K, 1%" "RES 0603"#1 5450.45,3534.85 r270 top
R237 "16K, 1%" "RES 0603"#1 5450.45,3732.31 r270 top
R238 "16K, 1%" "RES 0603"#1 5450.45,3929.76 r270 top
R239 "16K, 1%" "RES 0603"#1 5450.45,4127.21 r270 top
R240 "16K, 1%" "RES 0603"#1 5450.45,4324.67 r270 top
R241 "1K - 0.5%" "RES 1206" 5793.96,2809.49 r180 top
R242 "1K - 0.5%" "RES 1206" 5793.96,3006.94 r180 top
R243 "1K - 0.5%" "RES 1206" 5793.96,3204.4 r180 top
R244 "1K - 0.5%" "RES 1206" 5793.96,3401.85 r180 top
R245 "1K - 0.5%" "RES 1206" 5793.96,3599.31 r180 top
R246 "1K - 0.5%" "RES 1206" 5793.96,3796.76 r180 top
R247 "1K - 0.5%" "RES 1206" 5793.96,3994.21 r180 top
R248 "1K - 0.5%" "RES 1206" 5793.96,4191.67 r180 top
R249 "4.7K, 1%" "RES 0603"#1 4623.04,1334.38 r0 top
R250 "1.5K" "RES 0603"#1 2931.62,5796.65 r90 top
R251 "4.7K, 1%" "RES 0603"#1 4623.04,1471.39 r0 top
R252 "1K, 1%" "RES 0603"#1 4623.04,1676.89 r0 top
R253 "1K, 1%" "RES 0603"#1 4624.04,1741.39 r180 top
R254 "1K, 1%" "RES 0603"#1 4623.04,1882.39 r0 top
R255 "1K, 1%" "RES 0603"#1 4624.04,1809.89 r180 top
R256 "4.7K, 1%" "RES 0603"#1 4623.04,1539.89 r0 top
R257 "4.7K, 1%" "RES 0603"#1 4623.04,1402.88 r0 top
R258 "1.5K" "RES 0603"#1 2998.7,5797.65 r270 top
R259 "0R" "RES 0603"#1 7504.96,1546.03 r270 top
R260 "16K, 1%" "RES 0603"#1 5515.45,802.53 r270 top
R261 "16K, 1%" "RES 0603"#1 5515.45,1000.03 r270 top
R262 "16K, 1%" "RES 0603"#1 5515.45,1197.53 r270 top
R263 "16K, 1%" "RES 0603"#1 5515.45,1395.02 r270 top
R264 "16K, 1%" "RES 0603"#1 5515.45,1592.52 r270 top
R265 "16K, 1%" "RES 0603"#1 5515.45,1790.02 r270 top
R266 "16K, 1%" "RES 0603"#1 5515.45,1987.51 r270 top
R267 "16K, 1%" "RES 0603"#1 5515.45,2185.01 r270 top
R268 "1K - 0.5%" "RES 1206" 5858.96,669.53 r180 top
R269 "1K - 0.5%" "RES 1206" 5858.96,867.03 r180 top
R270 "1K - 0.5%" "RES 1206" 5863.12,1064.53 r180 top
R271 "1K - 0.5%" "RES 1206" 5863.12,1262.02 r180 top
R272 "1K - 0.5%" "RES 1206" 5863.12,1459.52 r180 top
R273 "1K - 0.5%" "RES 1206" 5863.12,1657.02 r180 top
R274 "1K - 0.5%" "RES 1206" 5863.12,1854.51 r180 top
R275 "1K - 0.5%" "RES 1206" 5863.12,2052.01 r180 top
R276 "1K, 1%" "RES 0603"#1 3384.43,6563.16 r0 top
R277 "1.5K" "RES 0603"#12 2868.54,5684.76 r90 top
R278 "1.5K" "RES 0603"#11 2931.62,5684.76 r90 top
R279 "10K, 1%" "RES 0603"#4 2757.2,6372.36 r180 top
R280 "1.5K" "RES 0603"#1 2006.6,5797.65 r270 top
R281 "1.5K" "RES 0603"#1 2066.51,5796.65 r90 top
R282 "1.5K" "RES 0603"#1 2134.42,5797.65 r270 top
R283 "0R" "RES 0603"#1 7504.96,1943.96 r270 top
R284 "1K, 1%" "RES 0603"#4 2757.2,6310.29 r180 top
R285 "1.5K" "RES 0603"#2 2002.6,5684.76 r90 top
R286 "1.5K" "RES 0603"#11 2066.51,5684.76 r90 top
R287 "0R" "RES 0603"#1 6555,6918.36 r180 top
R288 "0R" "RES 0603"#1 4289.84,8395.98 r90 top
R289 "0R" "RES 0603"#1 4356.73,8395.98 r90 top
R290 "0R" "RES 0603"#1 4423.62,8395.98 r90 top
R291 "0R" "RES 0603"#1 4490.51,8395.98 r90 top
R292 "0R" "RES 0603"#1 4557.4,8395.98 r90 top
R293 "0R" "RES 0603"#1 4624.29,8395.98 r90 top
R294 "0R" "RES 0603"#1 4691.18,8395.98 r90 top
R295 "0R" "RES 0603"#1 4758.07,8395.98 r90 top
R296 "0R" "RES 0603"#1 5329.05,8395.98 r90 top
R297 "0R" "RES 0603"#1 5395.94,8395.98 r90 top
R298 "0R" "RES 0603"#1 5462.83,8395.98 r90 top
R299 "0R" "RES 0603"#1 5529.72,8395.98 r90 top
R300 "0R" "RES 0603"#1 5596.61,8395.98 r90 top
R301 "0R" "RES 0603"#1 5663.5,8395.98 r90 top
R302 "0R" "RES 0603"#1 5730.39,8395.98 r90 top
R303 "0R" "RES 0603"#1 5797.28,8395.98 r90 top
R304 "4.7K, 1%" "RES 0603"#1 4245.19,5510.51 r0 top
R305 "5.9 kOhms" "YAGEO RES 0603_1608" 4907,5311 r180 top
R306 "10K, 1%" "RES 0603"#1 5823,5315 r0 top
R307 "3.24 kOhms" "YAGEO RES 0603_1608" 5978,5313 r180 top
R319 "680R" "RES 0603"#1 344.49,2467.28 r0 top
R320 "680R" "RES 0603"#1 592.41,2467.28 r0 top
R321 "680R" "RES 0603"#1 344.49,2232.87 r0 top
R322 "680R" "RES 0603"#1 592.41,2232.87 r0 top
R323 "680R" "RES 0603"#1 344.49,1998.47 r0 top
R324 "680R" "RES 0603"#1 592.41,1998.47 r0 top
R325 "680R" "RES 0603"#1 344.49,1764.06 r0 top
R326 "680R" "RES 0603"#1 592.41,1764.06 r0 top
R327 "680R" "RES 0603"#1 344.49,1529.65 r0 top
R328 "680R" "RES 0603"#1 592.41,1529.65 r0 top
R329 "680R" "RES 0603"#1 344.49,1295.25 r0 top
R330 "680R" "RES 0603"#1 592.41,1295.25 r0 top
R331 "680R" "RES 0603"#1 344.49,1060.84 r0 top
R332 "680R" "RES 0603"#1 592.41,1060.84 r0 top
R333 "680R" "RES 0603"#1 344.49,826.44 r0 top
R334 "680R" "RES 0603"#1 592.41,826.44 r0 top
R336 "4.7K, 1%" "RES 0603"#1 3486.51,3598.56 r180 top
R337 "1K, 1%" "RES 0603"#1 3486.51,3531.2 r180 top
R338 "1K, 1%" "RES 0603"#1 3485.51,3467.83 r0 top
R339 "1K, 1%" "RES 0603"#1 3486.51,3396.47 r180 top
R340 "1K, 1%" "RES 0603"#1 3485.51,3333.11 r0 top
R342 "4.7K, 1%" "RES 0603"#1 3486.51,3935.38 r180 top
R343 "4.7K, 1%" "RES 0603"#1 3486.51,4070.11 r180 top
R344 "4.7K, 1%" "RES 0603"#1 3486.51,4002.74 r180 top
R345 "4.7K, 1%" "RES 0603"#1 3485.51,3669.92 r0 top
R346 "16K, 1%" "RES 0603"#1 2424.51,4526.11 r90 top
R347 "16K, 1%" "RES 0603"#1 2427.51,4265.11 r90 top
R348 "16K, 1%" "RES 0603"#1 2437.51,4047.11 r90 top
R349 "16K, 1%" "RES 0603"#1 2430.51,3795.11 r90 top
R350 "16K, 1%" "RES 0603"#1 2414.51,3574.11 r90 top
R351 "16K, 1%" "RES 0603"#1 2424.51,3335.11 r90 top
R352 "16K, 1%" "RES 0603"#1 2417.51,3104.11 r90 top
R353 "16K, 1%" "RES 0603"#1 2417.51,2869.11 r90 top